# Altium PCB Bot_PCB.PcbDoc
Units mil, origin at the board's own origin, x right, y up, seen from the top; angles counter-clockwise.
Board outline 6145 x 3360 mil, 2 copper layers (Top Layer, Bottom Layer); 67 components, 62 nets, 282 pads, 14 vias.
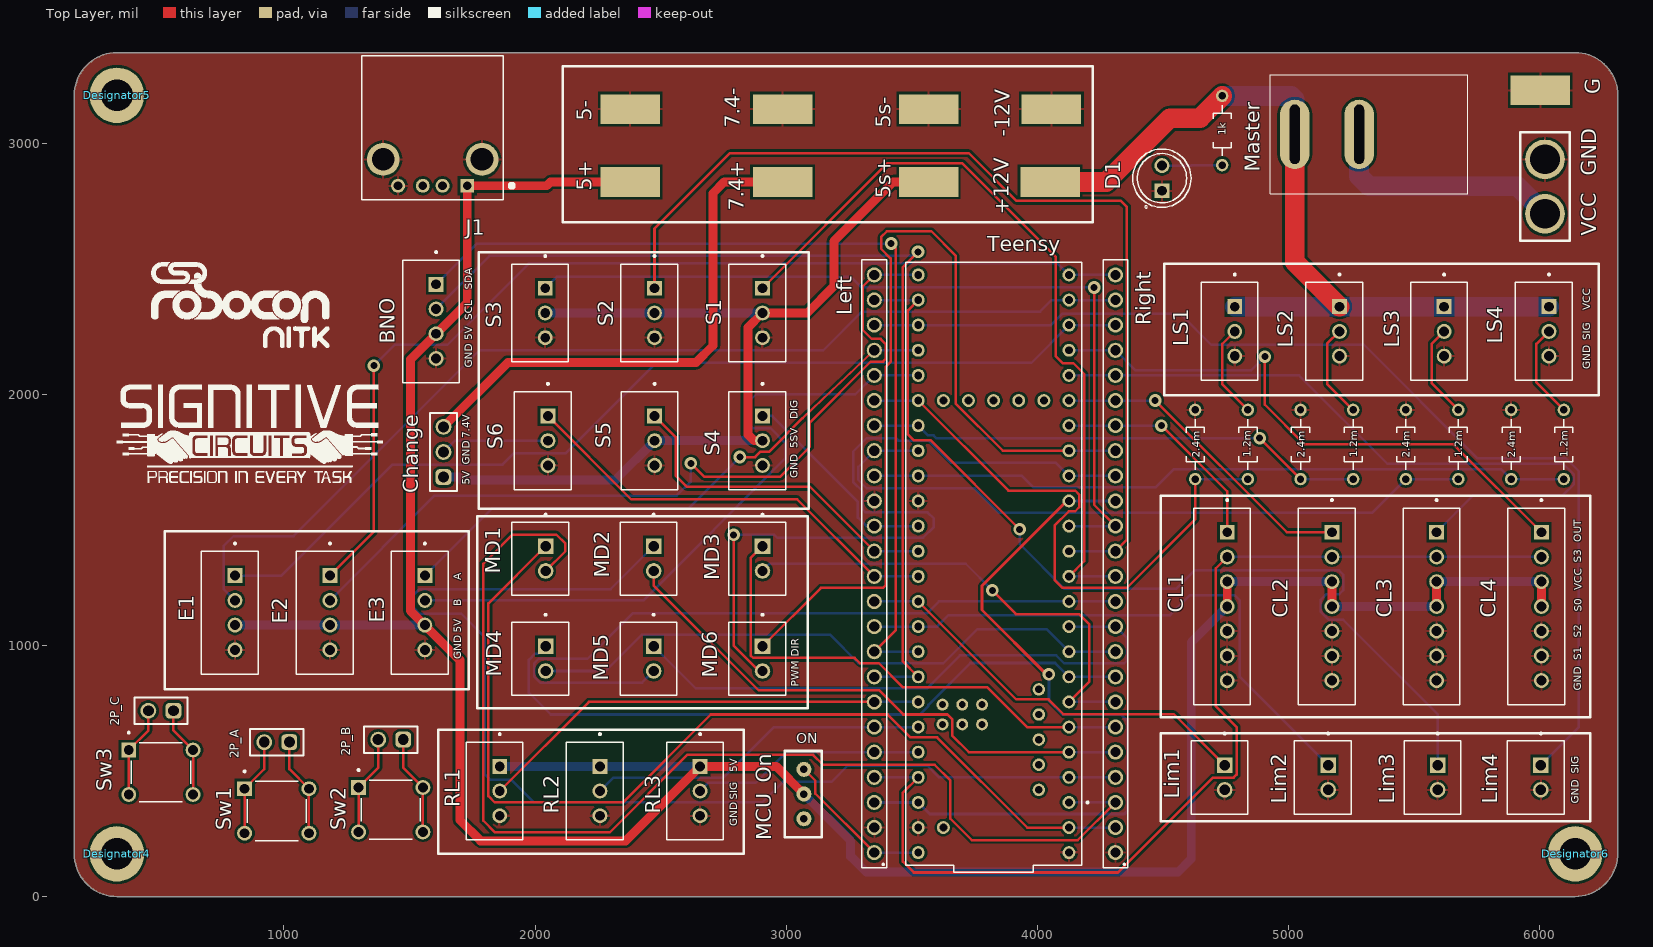
[diagram p0: Top Layer view]
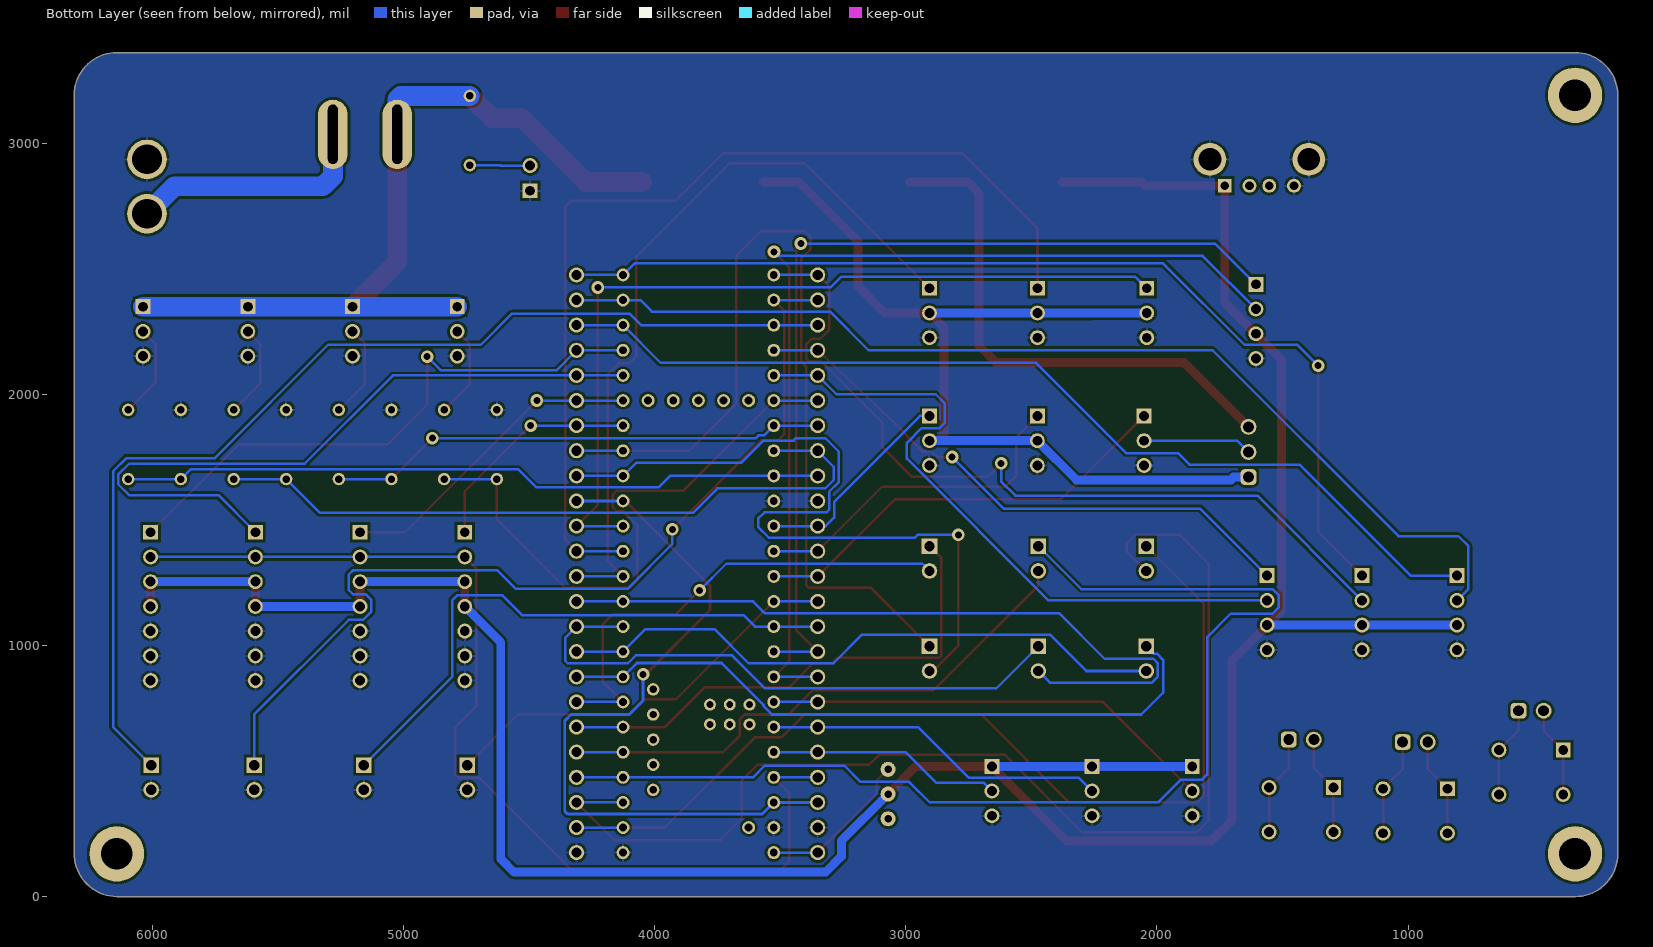
[diagram p1: Bottom Layer view, seen from below]
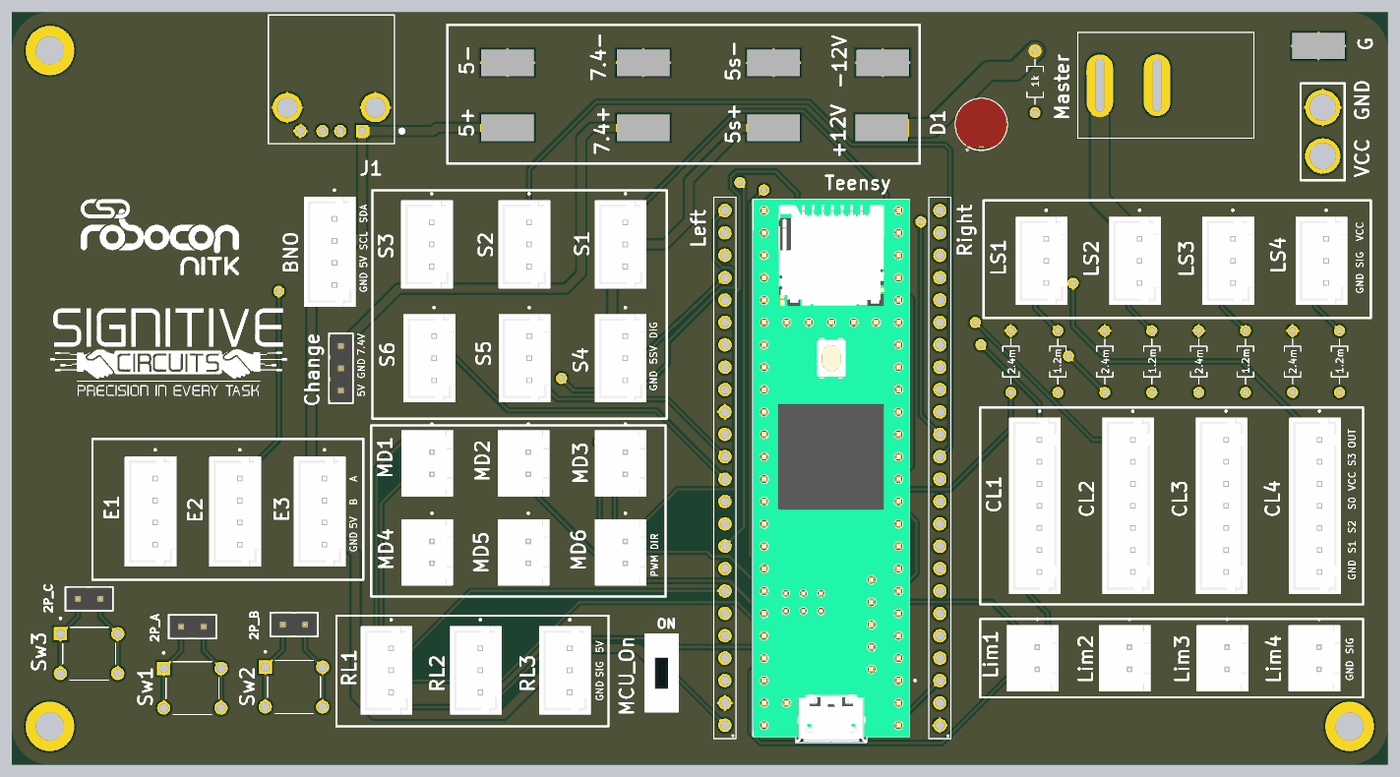
[diagram p2: 3D render of the assembled board from above, using the file's embedded part models]

## Layer stack, top to bottom
Top Solder: solder mask 0.4, Solder Resist, Dk 3.5
Top Layer: signal copper 1.4
Dielectric 1: dielectric 12.6, FR-4, Dk 4.8
Bottom Layer: signal copper 1.4
Bottom Solder: solder mask 0.4, Solder Resist, Dk 3.5

## Board outline
165,170 ccw(c335,170) 335,0 6140,0 ccw(c6137.5,172.5) 6310,175 6310,3190 ccw(c6140,3190) 6140,3360 335,3360 ccw(c335,3190) 165,3190

## Design rules (kind name [scope] priority, off if disabled: settings)
Clearance [All] p1: gap=10 ignorepadtopadclearanceinfootprint=FALSE
PolygonConnect [All] p1: connectstyle=Relief reliefconductorwidth=10 reliefentries=4 polygonreliefangle="90 Angle" airgapwidth=10
RoutingVias [All] p1: holewidth=28 width=50 viastyle="Through Hole" minholewidth=28 minwidth=50 maxholewidth=28 maxwidth=50
SolderMaskExpansion [All] p1: expansion=4 istentingtop=FALSE
Width 3V3_Width [InNet('3.3V')] p1: maxlimit=11.81 minlimit=7.87 preferedwidth=11.81 minimp=50.000000 maximp=50.000000 favimp=50.000000
Width 7V4_Width [InNet('+7.4')] p2: maxlimit=35.43 minlimit=31.5 preferedwidth=35.43 minimp=50.000000 maximp=50.000000 favimp=50.000000
Width 5SV_Width [InNet('+5s')] p3: maxlimit=35.43 minlimit=31.5 preferedwidth=35.43 minimp=50.000000 maximp=50.000000 favimp=50.000000
Width 5V_Width [InNet('+5')] p4: maxlimit=35.43 minlimit=31.5 preferedwidth=35.43 minimp=50.000000 maximp=50.000000 favimp=50.000000
Width 12V_Width [InNet('+12')] p5: maxlimit=78.74 minlimit=74.8 preferedwidth=78.74 minimp=50.000000 maximp=50.000000 favimp=50.000000
Width Batt_Width [InNet('NetBattery_VCC_0')] p6: maxlimit=78.74 minlimit=74.8 preferedwidth=78.74 toplayer_minwidth=74.8 bottomlayer_maxwidth=78.74 bottomlayer_prefwidth=78.74 minimp=50.000000 maximp=50.000000 favimp=50.000000
Width [All] p7: maxlimit=10 minlimit=10 preferedwidth=10
30 further rules are at their usual default settings.

## Classes and differential pairs
component class pcb_v1: 1.2m 1k 2.4m 2P_A 2P_B 2P_C 5+ 5- 5s+ 5s- 7.4+ 7.4- -12V BNO Change CL1 CL2 CL3 CL4 D1 E1 E2 E3 G J1 Left Lim1 Lim2 Lim3 Lim4 LS1 LS2 LS3 LS4 Master MCU_On MD1 MD2 MD3 MD4 MD5 MD6 Right RL1 RL2 RL3 S1 S2 S3 S4 S5 S6 Sw1 Sw2 Sw3 Teensy VCC

## Components (designator, comment, footprint, x,y, rotation, side; value= is the part's Value field where it differs from the comment)
1.2m "6-1623927-3" RESAD700W45L350D185 6095,1800 r270 top (schematic designator R41)
1.2m "6-1623927-3" RESAD700W45L350D185 5675,1800 r270 top (schematic designator R31)
1.2m "6-1623927-3" RESAD700W45L350D185 5256.46,1800 r270 top (schematic designator R21)
1.2m "6-1623927-3" RESAD700W45L350D185 4837.19,1800 r270 top (schematic designator R11)
1k "6-1623927-3" RESAD700W45L350D185 4735,3050 r90 top (schematic designator Rd)
2.4m "6-1623927-3" RESAD700W45L350D185 5885.37,1800 r270 top (schematic designator R42)
2.4m "6-1623927-3" RESAD700W45L350D185 5466.1,1800 r270 top (schematic designator R32)
2.4m "6-1623927-3" RESAD700W45L350D185 5046.83,1800 r270 top (schematic designator R22)
2.4m "6-1623927-3" RESAD700W45L350D185 4627.56,1800 r270 top (schematic designator R12)
2P_A "61300211121" 61300211121 971.29,615 r180 top
2P_B "61300211121" 61300211121 1424.99,625 r180 top
2P_C "61300211121" 61300211121 510,740 r180 top
5+ "COPPER_PAD_6x3" COPPER_PAD-Footprint-1#1 2378.33,2845 r0 top
5- "COPPER_PAD_6x3" COPPER_PAD-Footprint-1#2 2378.33,3135.04 r90 top
5s+ "COPPER_PAD_6x3" COPPER_PAD-Footprint-1#1 3566.67,2845 r0 top
5s- "COPPER_PAD_6x3" COPPER_PAD-Footprint-1#1 3566.67,3135.04 r0 top
7.4+ "COPPER_PAD_6x3" COPPER_PAD-Footprint-1#2 2985,2845 r90 top
7.4- "COPPER_PAD_6x3" COPPER_PAD-Footprint-1#2 2985,3135.04 r90 top
+12V "COPPER_PAD_6x3" COPPER_PAD-Footprint-1#2 4050,2845 r90 top
-12V "COPPER_PAD_6x3" COPPER_PAD-Footprint-1#2 4055,3135.04 r90 top
BNO "B4B-XH-A(LF)(SN)" JST_B4B-XH-A(LF)(SN) 1585,2290 r90 top
Change "61300311121" 61300311121 1635,1770 r90 top
CL1 "B7B-XH-A(LF)(SN)" JST_B7B-XH-A(LF)(SN) 4734.33,1155.28 r90 top
CL2 "B7B-XH-A(LF)(SN)" JST_B7B-XH-A(LF)(SN) 5151.22,1155.28 r90 top
CL3 "B7B-XH-A(LF)(SN)" JST_B7B-XH-A(LF)(SN) 5568.11,1155.28 r90 top
CL4 "B7B-XH-A(LF)(SN)" JST_B7B-XH-A(LF)(SN) 5985,1155.28 r90 top
D1 "WP7113LGD" LED_WP7113LGD 4495,2860 r90 top
Designator4 "Comment" MTH3P2MM-Footprint-1 335,170 r0 top
Designator5 "Comment" MTH3P2MM-Footprint-1 335,3190 r0 top
Designator6 "Comment" MTH3P2MM-Footprint-1 6140,170 r0 top
E1 "B4B-XH-A(LF)(SN)" JST_B4B-XH-A(LF)(SN) 784.33,1130 r90 top
E2 "B4B-XH-A(LF)(SN)" JST_B4B-XH-A(LF)(SN) 1162.17,1130 r90 top
E3 "B4B-XH-A(LF)(SN)" JST_B4B-XH-A(LF)(SN) 1540,1130 r90 top
G "COPPER_PAD_6x3" COPPER_PAD-Footprint-1#2 6001.32,3210 r90 top (schematic designator HIGH_CMN)
J1 "USB-A-Female" CUI_UJ2-AH-4-TH 1729.65,2829.88 r180 top
Left "61302411821" 61302411821 3350,1325 r90 top
Lim1 "B2B-XH-A(LF)(SN)" JST_B2B-XH-A(LF)(SN) 4724.33,474.32 r90 top
Lim2 "B2B-XH-A(LF)(SN)" JST_B2B-XH-A(LF)(SN) 5136,474.32 r90 top
Lim3 "B2B-XH-A(LF)(SN)" JST_B2B-XH-A(LF)(SN) 5572.01,474.32 r90 top
Lim4 "B2B-XH-A(LF)(SN)" JST_B2B-XH-A(LF)(SN) 5983.01,474.32 r90 top
LS1 "B3B-XH-A(LF)(SN)" JST_B3B-XH-A(LF)(SN) 4764.33,2250 r90 top
LS2 "B3B-XH-A(LF)(SN)" JST_B3B-XH-A(LF)(SN) 5181.22,2250 r90 top
LS3 "B3B-XH-A(LF)(SN)" JST_B3B-XH-A(LF)(SN) 5598.11,2250 r90 top
LS4 "B3B-XH-A(LF)(SN)" JST_B3B-XH-A(LF)(SN) 6015,2250 r90 top
Master "DPSTMED" SPSTMED-Footprint-1 4925.67,3271.06 r270 top
MCU_On "4mm-SPDT" 4mm-SPDT-Footprint-1 3140,237.17 r90 top (schematic designator T_Power)
MD1 "B2B-XH-A(LF)(SN)" JST_B2B-XH-A(LF)(SN) 2020.67,1345.59 r90 top
MD2 "B2B-XH-A(LF)(SN)" JST_B2B-XH-A(LF)(SN) 2451,1345.59 r90 top
MD3 "B2B-XH-A(LF)(SN)" JST_B2B-XH-A(LF)(SN) 2884.33,1345.59 r90 top
MD4 "B2B-XH-A(LF)(SN)" JST_B2B-XH-A(LF)(SN) 2020.67,947.36 r90 top
MD5 "B2B-XH-A(LF)(SN)" JST_B2B-XH-A(LF)(SN) 2451,947.36 r90 top
MD6 "B2B-XH-A(LF)(SN)" JST_B2B-XH-A(LF)(SN) 2884.33,947.36 r90 top
Right "61302411821" 61302411821 4310,1325 r90 top
RL1 "B3B-XH-A(LF)(SN)" JST_B3B-XH-A(LF)(SN) 1838.19,420.31 r90 top
RL2 "B3B-XH-A(LF)(SN)" JST_B3B-XH-A(LF)(SN) 2237.1,420.31 r90 top
RL3 "B3B-XH-A(LF)(SN)" JST_B3B-XH-A(LF)(SN) 2636,420.31 r90 top
S1 "B3B-XH-A(LF)(SN)" JST_B3B-XH-A(LF)(SN) 2884.33,2323.42 r90 top
S2 "B3B-XH-A(LF)(SN)" JST_B3B-XH-A(LF)(SN) 2454.33,2323.42 r90 top
S3 "B3B-XH-A(LF)(SN)" JST_B3B-XH-A(LF)(SN) 2019.33,2323.42 r90 top
S4 "B3B-XH-A(LF)(SN)" JST_B3B-XH-A(LF)(SN) 2884.33,1815 r90 top
S5 "B3B-XH-A(LF)(SN)" JST_B3B-XH-A(LF)(SN) 2455,1815 r90 top
S6 "B3B-XH-A(LF)(SN)" JST_B3B-XH-A(LF)(SN) 2030,1815 r90 top
Sw1 "TS02-66-55-BK-160-LCR-D" SW_TS02-66-55-BK-160-LCR-D 971.29,340.93 r0 top
Sw2 "TS02-66-55-BK-160-LCR-D" SW_TS02-66-55-BK-160-LCR-D 1424.99,345.93 r0 top
Sw3 "TS02-66-55-BK-160-LCR-D" SW_TS02-66-55-BK-160-LCR-D 510,495 r0 top
Teensy "DEV-16771" MODULE_DEV-16771 3825,1325 r90 top
VCC "Hole_2.5mm_1x2" Hole_2.5mm_1x2-Footprint-1 6118.43,2610.2 r90 top (schematic designator Battery_VCC)

## Footprints (in the part's own frame and the unit in brackets; to place one, negate y for a bottom-side part, rotate by r counter-clockwise, add the part's x,y. Pads: shape width x height; smd on the part's side, far side on the other; paste and mask are expansions set on the pad)
4mm-SPDT-Footprint-1 [mil]
  round 60 hole 30: 1(171.26,70) 2(72.83,70) 3(269.68,70)
  silkscreen extent 0,0 343,146, body extent 2,-4 338,150, height 256
61300211121 [mm] "Pin Header, pitch 2.54 mm, THT, Vertical, single row, 2p"
  rrect50% 1.6x1.6 hole 1.1: 1(-1.27,0)
  round 1.6 hole 1.1: 2(1.27,0)
  silkscreen extent -2.69,-1.34 2.69,1.34, body extent -2.54,-1.27 2.54,1.27, height 8.57
61300311121 [mm] "Pin Header, pitch 2.54 mm, THT, Vertical, single row, 3p"
  rrect50% 1.6x1.6 hole 1.1: 1(-2.54,0)
  round 1.6 hole 1.1: 2(0,0) 3(2.54,0)
  silkscreen extent -3.96,-1.34 3.96,1.34, body extent -3.81,-1.27 3.81,1.27, height 8.57
61302411821 [mm]
  round 1.53 hole 1.02: 1(-29.21,0) 2(-26.67,0) 3(-24.13,0) 4(-21.59,0) 5(-19.05,0) 6(-16.51,0) 7(-13.97,0) 8(-11.43,0) 9(-8.89,0) 10(-6.35,0) 11(-3.81,0) 12(-1.27,0) 13(1.27,0) 14(3.81,0) 15(6.35,0) 16(8.89,0) 17(11.43,0) 18(13.97,0) 19(16.51,0) 20(19.05,0) 21(21.59,0) 22(24.13,0) 23(26.67,0) 24(29.21,0)
  silkscreen extent -30.73,-1.25 30.73,1.25
COPPER_PAD-Footprint-1#1 [mm]
  rect 6x3 smd: 1(0,0)
COPPER_PAD-Footprint-1#2 [mm]
  rect 3x6 smd: 1(0,0)
CUI_UJ2-AH-4-TH [mm]
  rect 1.408x1.408 / inner round 1.408 / far side rect 1.408x1.408 hole 0.9: 1(0,0)
  round 1.408 hole 0.9: 2(2.5,0) 3(4.5,0) 4(7,0)
  round 3.316 hole 2.3: SH1(-1.5,-2.67) SH2(8.5,-2.67)
  silkscreen extent -4.7,-13.17 10.65,1.43, body extent -4.47,-12.96 11.33,1.14, height 7.62
Hole_2.5mm_1x2-Footprint-1 [mm]
  round 4 hole 3: 0(2.75,2.5) 1(8.25,2.5)
  silkscreen extent 0,0 11,5
JST_B2B-XH-A(LF)(SN) [mm]
  rect 1.575x1.575 / inner round 1.575 / far side rect 1.575x1.575 hole 1.05: 1(1.25,-0.525)
  round 1.575 hole 1.05: 2(-1.25,-0.525)
  silkscreen extent -3.7,-2.87 4.54,2.88, body extent -3.7,-2.88 3.7,2.88, height 7
JST_B3B-XH-A(LF)(SN) [mm]
  rect 1.508x1.508 / inner round 1.508 / far side rect 1.508x1.508 hole 1: 1(2.5,-0.525)
  round 1.508 hole 1: 2(0,-0.525) 3(-2.5,-0.525)
  silkscreen extent -4.95,-2.88 5.85,2.87, body extent -4.95,-2.88 4.95,2.88, height 7
JST_B4B-XH-A(LF)(SN) [mm]
  rect 1.508x1.508 / inner round 1.508 / far side rect 1.508x1.508 hole 1: 1(3.75,-0.525)
  round 1.508 hole 1: 2(1.25,-0.525) 3(-1.25,-0.525) 4(-3.75,-0.525)
  silkscreen extent -6.2,-2.87 7.1,2.88, body extent -6.2,-2.88 6.2,2.88, height 7
JST_B7B-XH-A(LF)(SN) [mm]
  rect 1.508x1.508 / inner round 1.508 / far side rect 1.508x1.508 hole 1: 1(7.5,-0.525)
  round 1.508 hole 1: 2(5,-0.525) 3(2.5,-0.525) 4(0,-0.525) 5(-2.5,-0.525) 6(-5,-0.525) 7(-7.5,-0.525)
  silkscreen extent -9.95,-2.88 10.85,2.87, body extent -9.95,-2.88 9.95,2.88, height 7
LED_WP7113LGD [mm]
  round 1.508 hole 1: A(1.27,0)
  rect 1.508x1.508 / inner round 1.508 / far side rect 1.508x1.508 hole 1: C(-1.27,0)
  silkscreen extent -3.03,-2.95 2.95,2.95, body extent -2.5,-2.95 2.95,2.95, height 9.6
MODULE_DEV-16771 [mm]
  round 1.308 hole 0.8: 0(-26.67,-7.62) 1(-24.13,-7.62) 2(-21.59,-7.62) 3(-19.05,-7.62) 3.3V_1(6.35,-7.62) 3.3V_2(-24.13,7.62) 3.3V_3(16.51,-2.54) 4(-16.51,-7.62) 5(-13.97,-7.62) 6(-11.43,-7.62) 7(-8.89,-7.62) 8(-6.35,-7.62) 9(-3.81,-7.62) 10(-1.27,-7.62) 11(1.27,-7.62) 12(3.81,-7.62) 13(3.81,7.62) 14(1.27,7.62) 15(-1.27,7.62) 16(-3.81,7.62) 17(-6.35,7.62) 18(-8.89,7.62) 19(-11.43,7.62) 20(-13.97,7.62) 21(-16.51,7.62) 22(-19.05,7.62) 23(-21.59,7.62) 24(8.89,-7.62) 25(11.43,-7.62) 26(13.97,-7.62) 27(16.51,-7.62) 28(19.05,-7.62) 29(21.59,-7.62) 30(24.13,-7.62) 31(26.67,-7.62) 32(29.21,-7.62) 33(29.21,7.62) 34(26.67,7.62) 35(24.13,7.62) 36(21.59,7.62) 37(19.05,7.62) 38(16.51,7.62) 39(13.97,7.62) 40(11.43,7.62) 41(8.89,7.62) GND1(-29.21,-7.62) GND2(6.35,7.62) GND3(-26.67,7.62) GND4(16.51,0) ON/OFF(16.51,5.08) PROGRAM(16.51,2.54) VBAT(16.51,-5.08) VIN(-29.21,7.62) VUSB(-26.67,5.08)
  round 1.258 hole 0.75: 5V(-22.86,-4.57) D+(-17.78,-4.57) D-(-20.32,-4.57) USB_GND1(-15.24,-4.57) USB_GND2(-12.7,-4.57)
  round 1.208 hole 0.7: GND5(-14.24,3.17) LED(-16.24,3.17) R+(-16.24,5.17) R-(-14.24,5.17) T+(-14.24,1.17) T-(-16.24,1.17)
  silkscreen extent -31.18,-9.6 30.48,8.89, body extent -31.18,-8.89 30.48,8.89, height 7.15
MTH3P2MM-Footprint-1 [mm]
  oval 5.5x5.6 hole 3.2: 0(0,0)
RESAD700W45L350D185 [mm]
  round 1.258 hole 0.75: 1(-3.5,0) 2(3.5,0)
  silkscreen extent -2.55,-0.93 2.55,0.93
SPSTMED-Footprint-1 [mm]
  oval 7x3 hole 1 slot 6 at 0 deg: 1(6,2.5) 2(6,9)
  silkscreen extent 0,0 12,20
SW_TS02-66-55-BK-160-LCR-D [mm]
  rect 1.508x1.508 / inner round 1.508 / far side rect 1.508x1.508 hole 1: 1(-3.25,2.25)
  round 1.508 hole 1: 2(3.25,2.25) 3(-3.25,-2.25) 4(3.25,-2.25)
  silkscreen extent -3.35,-3 3,4.1

## Part data
1.2m 1.2m 1.2m 1.2m 1k 2.4m 2.4m 2.4m 2.4m: library part CMP-340-000000-1, "CFR16 5% 10K", Package=None, Availability=Unavailable, Component Type=Standard, Design Item ID=6-1623927-3, MP=6-1623927-3, Pin Count=2, Price=None, Source=6-1623927-3.SchLib
2P_A 2P_B 2P_C: library part CMP-00005-1, "THT Vertical Pin Header WR-PHD, Pitch 2.54 mm, Single Row, 2 pins", Color=Black, Contact Resistance=20mR, Current Rating=3A, Max Operating Temperature=125°C, Min Operating Temperature=-40°C, Operating Supply Voltage=250V, Contact Gender=Male, Contact Material="Copper Alloy,Copper", Contact Mating Length=0.236inch, Contact Plating=Gold, Contact Type="Male Pin", Gender=Male, Height=8.94mm, Housing Material=PBT, Lead Free="Lead Free", Mounting Technology="Through Hole", Number of Contacts=2, Number of Positions=2, Number of Rows=1, Orientation=Vertical, Packaging=Bulk, Pitch=0.1inch, Reach SVHC Compliant=Unknown, RoHS Compliant=Yes, Series=WR-PHD, Termination="Through Hole", Voltage Rating=250V
5+ 5- 5s+ 5s- 7.4+ 7.4- +12V -12V G: library part CMP-00013-1, "Exposed 6mmx3mm copper pad for soldering wires directly onto PCBs"
BNO E1 E2 E3: library part CMP-328-000000-1, "Connector Header Through Hole 4 position 0.098 (2.50mm)", Package=None, Check_prices=https://www.snapeda.com/parts/B4B-XH-A(LF)(SN)/JST+Sales+America+Inc./view-part/?ref=eda, Component Type=Standard, Design Item ID=B4B-XH-A(LF)(SN), MF="JST Sales", MP=B4B-XH-A(LF)(SN), Pin Count=4, SnapEDA_Link=https://www.snapeda.com/parts/B4B-XH-A(LF)(SN)/JST+Sales+America+Inc./view-part/?ref=snap, Source=B4B-XH-A(LF)(SN).SchLib
Change: library part CMP-00001-1, "THT Vertical Pin Header WR-PHD, Pitch 2.54 mm, Single Row, 3 pins", Color=Black, Contact Resistance=20mR, Current Rating=3A, Max Operating Temperature=105°C, Min Operating Temperature=-40°C, Operating Supply Voltage=250V, Contact Material=Copper, Contact Mating Length=0.236inch, Contact Plating=Gold, Contact Type="Male Pin", Gender=Male, Height=8.94mm, Lead Free="Lead Free", Mounting Technology="Through Hole", Number of Contacts=3, Number of Positions=3, Number of Rows=1, Orientation=Vertical, Packaging=Bulk, Pitch=0.1inch, Reach SVHC Compliant=Unknown, RoHS Compliant=Yes, Series=WR-PHD, Termination=Solder, Voltage Rating=250V
CL1 CL2 CL3 CL4: library part CMP-334-000000-1, "Connector Header Through Hole 7 position 0.098 (2.50mm)", Package=None, Check_prices=https://www.snapeda.com/parts/B7B-XH-A%20(LF)(SN)/JST+Sales+America+Inc./view-part/?ref=eda, Component Type=Standard, Design Item ID=B7B-XH-A(LF)(SN), MF="JST Sales", MP="B7B-XH-A (LF)(SN)", Pin Count=7, SnapEDA_Link=https://www.snapeda.com/parts/B7B-XH-A%20(LF)(SN)/JST+Sales+America+Inc./view-part/?ref=snap, Source=B7B-XH-A(LF)(SN).SchLib
D1: library part CMP-352-000000-1, "Green 568nm LED Indication - Discrete 1.9V Radial", Package="Radial Kingbright", Availability="In Stock", Check_prices=https://www.snapeda.com/parts/WP7113LGD/Kingbright/view-part/?ref=eda, Component Type=Standard, Design Item ID=WP7113LGD, MF=Kingbright, MP=WP7113LGD, Pin Count=2, Price=None, Purchase-URL=https://pricing.snapeda.com/search/part/WP7113LGD/?ref=eda, SnapEDA_Link=https://www.snapeda.com/parts/WP7113LGD/Kingbright/view-part/?ref=snap, Source=WP7113LGD.SchLib
J1: library part CMP-346-000000-4, "Type A, USB 2.0, 1 A, Right Angle, Through Hole, USB Receptacle", Package=None, Check_prices=https://www.snapeda.com/parts/UJ2-AH-4-TH/CUI+Devices/view-part/?ref=eda, Component Type=Standard, CUI_purchase_URL=https://www.cuidevices.com/product/interconnect/connectors/usb-connectors/uj2-ah-4-th?utm_source=snapeda.com&utm_medium=referral&utm_campaign=snapedaBOM, Design Item ID=UJ2-AH-4-TH, Digi-Key_Part_Number=102-3994-ND, MF="CUI Devices", MP=UJ2-AH-4-TH, Pin Count=6, Purchase-URL=https://pricing.snapeda.com/search/part/UJ2-AH-4-TH/?ref=eda, SnapEDA_Link=https://www.snapeda.com/parts/UJ2-AH-4-TH/CUI+Devices/view-part/?ref=snap, Source=UJ2-AH-4-TH.SchLib
Left Right: library part CMP-326-000000-1, "Single Row / Straight / Without Shroud Female header Female 24", Package=None, Availability="In Stock", Check_prices=https://www.snapeda.com/parts/61302411821/Wurth+Elektronik/view-part/?ref=eda, Component Type=Standard, Design Item ID=61302411821, MF="WÃ¼rth Elektronik", MP=61302411821, Pin Count=24, Price=None, SnapEDA_Link=https://www.snapeda.com/parts/61302411821/Wurth+Elektronik/view-part/?ref=snap, Source=61302411821.SchLib
Lim1 Lim2 Lim3 Lim4 MD1 MD2 MD3 MD4 MD5 MD6: library part CMP-332-000000-1, "Connector Header Through Hole 2 position 0.098 (2.50mm)", Package=None, Check_prices=https://www.snapeda.com/parts/B2B-XH-A(LF)(SN)/JST+Sales+America+Inc./view-part/?ref=eda, Component Type=Standard, Design Item ID=B2B-XH-A(LF)(SN), MF="JST Sales America Inc.", MP=B2B-XH-A(LF)(SN), Pin Count=2, SnapEDA_Link=https://www.snapeda.com/parts/B2B-XH-A(LF)(SN)/JST+Sales+America+Inc./view-part/?ref=snap, Source=B2B-XH-A(LF)(SN).SchLib
LS1 LS2 LS3 LS4 RL1 RL2 RL3 S1 S2 S3 S4 S5 S6: library part CMP-330-000000-1, "Connector Header Through Hole 3 position 0.098 (2.50mm)", Package=None, Check_prices=https://www.snapeda.com/parts/B3B-XH-A(LF)(SN)/JST+Sales+America+Inc./view-part/?ref=eda, Component Type=Standard, Design Item ID=B3B-XH-A(LF)(SN), MF="JST Sales", MP=B3B-XH-A(LF)(SN), Pin Count=3, SnapEDA_Link=https://www.snapeda.com/parts/B3B-XH-A(LF)(SN)/JST+Sales+America+Inc./view-part/?ref=snap, Source=B3B-XH-A(LF)(SN).SchLib
Master: library part CMP-00012-2, "Medium Sized DPST switch"
MCU_On: library part CMP-00016-2, "4mm Single Pole Double Throw Switch"
Sw1 Sw2 Sw3: library part CMP-342-000000-1, Package=None, Availability=Unavailable, Component Type=Standard, Design Item ID=TS02-66-55-BK-160-LCR-D, MP=TS02-66-55-BK-160-LCR-D, Pin Count=4, Price=None, Source=TS02-66-55-BK-160-LCR-D.SchLib
Teensy: library part CMP-322-000000-1, "RT1062 Teensy 4.1 series ARMÂ® CortexÂ®-M7 MPU Embedded Evaluation Board", Package=None, Availability="In Stock", Check_prices=https://www.snapeda.com/parts/DEV-16771/SparkFun+Electronics/view-part/?ref=eda, Component Type=Standard, Design Item ID=DEV-16771, MF="SparkFun Electronics", MP=DEV-16771, Pin Count=65, Price=None, Purchase-URL=https://pricing.snapeda.com/search/part/DEV-16771/?ref=eda, SnapEDA_Link=https://www.snapeda.com/parts/DEV-16771/SparkFun+Electronics/view-part/?ref=snap, Source=DEV-16771.SchLib
VCC: library part CMP-00014-1, "2.5mm radius hole for wiring"

## Via types
v1: diameter 50, hole 28, Top Layer to Bottom Layer, 14 vias

## Nets (pads, with @x,y where several pads share a name; then routed paths per layer and width w, separated by ;. In a path a pad name is that pad's centre, name@x,y a point inside that pad or via, vN(x,y) a via of type N, cw(c..) or ccw(c..) an arc to the next point about the centre after c; other vN are vias at no path point)
3.3V: Left.3 Right.15 Teensy.3.3V_1 Teensy.3.3V_2 | length 2981.2
  Top Layer w11.81: v1(4045,885) 4035,885 3779,1141 3779,1238 4116,1575 Teensy.3.3V_1
  Bottom Layer w11.81: Left.3 Teensy.3.3V_2 3572,328 4345,328 4357,340 4357,700 4332,725 4100,725 4045.59,779.41 4045.59,884.41 v1(4045,885) ; Teensy.3.3V_1 Right.15
+5: 5+.1 BNO.3 CL1.3 CL1.4 CL2.3 CL2.4 CL3.3 CL3.4 CL4.3 CL4.4 E1.3 E2.3 E3.3 J1.1 MCU_On.1 RL1.1 RL2.1 RL3.1 | length 10919.3
  Top Layer w35.43: 5+.1 2061.12,2845 2046,2829.88 J1.1 1729.65,2364.76 BNO.3 1503,2138.12 1503,1138.46 E3.3 1700,941.46 1700,305 1783,222 2359.93,222 RL3.1 2959.69,518.74 MCU_On.1 ; CL1.4 CL1.3 ; CL2.4 CL2.3 ; CL3.4 CL3.3 ; CL4.4 CL4.3
  Bottom Layer w35.43: E1.3 E2.3 E3.3 ; RL1.1 RL2.1 RL3.1 ; MCU_On.1 3256,222.43 3256,160 3318,98 4560,98 4612,150 4612,1012.28 CL1.4 ; CL1.3 CL2.3 ; CL2.4 CL3.4 ; CL3.3 CL4.3
+5s: 5s+.1 Change.1 S1.2 S2.2 S3.2 S4.2 S5.2 | length 3762.5
  Top Layer w35.43: S4.2 2872,1815 2847,1840 2847,2265.42 S1.2 3082.42,2323.42 3189,2430 3189,2609 3425,2845 5s+.1
  Bottom Layer w35.43: Change.1 1694,1670 1705,1659 2319.67,1659 S5.2 S4.2 ; S3.2 2257,2323.43 ; 2257,2323.42 S2.2 S1.2
+7.4: 7.4+.1 Change.3 | length 2108.8
  Top Layer w35.43: Change.3 1891,2126 2640,2126 2708,2194 2708,2800 2753,2845 7.4+.1
+12: 1k.2 +12V.1 LS1.1 LS2.1 LS3.1 LS4.1 Master.1 | length 3271.5
  Top Layer w78.74: +12V.1 4273,2845 4527,3099 4646.2,3099 1k.2 ; Master.1 5024.09,2526.22 LS2.1
  Bottom Layer w78.74: 1k.2 5010,3187.8 5024.09,3173.7 Master.1 ; LS1.1 LS2.1 LS3.1 LS4.1
ANALOG_LS1: 1.2m.1@4837.19,1937.8 LS1.2 | length 374.4
  Top Layer w10: LS1.2 4736,2201 4736,2038.99 1.2m.1@4837.19,1937.8
ANALOG_LS1_3.3: 1.2m.2@4837.19,1662.2 2.4m.2@4627.56,1662.2 Left.19 Teensy.38 | length 2421.9
  Top Layer w10: Teensy.38 3884,1616 4150,1616 4165.75,1600.25 4165.75,1550 4150,1534.25 4125,1534.25 4068,1477.25 4068,1260 4099,1229 4355,1229 4627.56,1501.56 2.4m.2@4627.56,1662.2
  Bottom Layer w10: Left.19 Teensy.38 ; 2.4m.2@4627.56,1662.2 1.2m.2@4837.19,1662.2
ANALOG_LS2: 1.2m.1@5256.46,1937.8 LS2.2 | length 375.3
  Top Layer w10: LS2.2 5153,2201.11 5153,2041.26 1.2m.1@5256.46,1937.8
ANALOG_LS2_3.3: 1.2m.2@5256.46,1662.2 2.4m.2@5046.83,1662.2 Left.18 Teensy.39 | length 1994.6
  Top Layer w10: v1(4884.03,1825) 2.4m.2@5046.83,1662.2
  Bottom Layer w10: Left.18 Teensy.39 3564.25,1835.75 3585.75,1835.75 3596.5,1825 v1(4884.03,1825) ; 2.4m.2@5046.83,1662.2 1.2m.2@5256.46,1662.2
ANALOG_LS3: 1.2m.1@5675,1937.8 LS3.2 | length 375.9
  Top Layer w10: LS3.2 5570,2201.22 5570,2042.8 1.2m.1@5675,1937.8
ANALOG_LS3_3.3: 1.2m.2@5675,1662.2 2.4m.2@5466.1,1662.2 Left.17 Teensy.40 | length 2815.5
  Bottom Layer w10: Teensy.40 Left.17 3286,1711 3286,1659 3320,1625 3749,1625 3845,1529 5332.89,1529 5466.1,1662.2 1.2m.2@5675,1662.2
ANALOG_LS4: 1.2m.1@6095,1937.8 LS4.2 | length 377.9
  Top Layer w10: LS4.2 5986,2200.33 5986,2046.8 1.2m.1@6095,1937.8
ANALOG_LS4_3.3: 1.2m.2@6095,1662.2 2.4m.2@5885.36,1662.2 Left.16 Teensy.41 | length 2810.8
  Bottom Layer w10: Left.16 Teensy.41 3938,1675 3984,1629 4470,1629 4543,1702 5845.57,1702 5885.36,1662.2 1.2m.2@6095,1662.2
BNO_SCL: BNO.2 Left.8 Teensy.19 | length 3930.3
  Top Layer w10: v1(3524,2566.44) 3462.44,2504.88 3462.44,937.56 Teensy.19
  Bottom Layer w10: BNO.2 1817.46,2551 3508.56,2551 v1(3524,2566.44) ; Left.8 Teensy.19
BNO_SDA: BNO.1 Left.9 Teensy.18 | length 3721.3
  Top Layer w10: Left.9 3435.12,1060.12 3435.12,2581.88 v1(3417,2600)
  Bottom Layer w10: BNO.1 1768.03,2600 v1(3417,2600) ; Left.9 Teensy.18
DIGITAL_CL1: CL1.1 Right.18 Teensy.26 | length 901
  Top Layer w10: v1(4493,1875) 4755,1613 CL1.1
  Bottom Layer w10: Teensy.26 Right.18 v1(4493,1875)
DIGITAL_CL2: CL2.1 Right.19 Teensy.27 | length 1264.1
  Top Layer w10: v1(4468,1975) 4992.45,1450.55 CL2.1
  Bottom Layer w10: Teensy.27 Right.19 v1(4468,1975)
DIGITAL_CL3: CL3.1 Right.20 Teensy.28 | length 2836.8
  Bottom Layer w10: Teensy.28 Right.20 5041,2075 5392,1724 6090.76,1724 6134.76,1680 6134.76,1641.76 6091,1598 5736.23,1598 CL3.1
DIGITAL_CL4: CL4.1 Right.21 Teensy.29 | length 2338.8
  Top Layer w10: v1(4905,2150) 4905,1958 5063,1800 5656.22,1800 CL4.1
  Bottom Layer w10: Teensy.29 Right.21 4390,2095 4850,2095 v1(4905,2150)
DIGITAL_CMN: CL1.2 CL2.2 CL3.2 CL4.2 Left.4 Teensy.23 | length 4212.2
  Top Layer w10: Teensy.23 3464.25,414.25 3464.25,139.75 3508,96 4320,96 4698,474 4780,474 4792,486 4792,675 4710,757 4710,1307.13 CL1.2
  Bottom Layer w10: Left.4 Teensy.23 ; CL1.2 CL2.2 CL3.2 CL4.2
DIGITAL_RL1: Left.7 RL1.2 Teensy.20 | length 1813.1
  Top Layer w10: RL1.2 2213.54,775 Left.7
  Bottom Layer w10: Left.7 Teensy.20
DIGITAL_RL2: Left.6 RL2.2 Teensy.21 | length 1372.7
  Bottom Layer w10: RL2.2 2311.51,474.05 2749.05,474.05 2950,675 Left.6 Teensy.21
DIGITAL_RL3: Left.5 RL3.2 Teensy.22 | length 932.4
  Bottom Layer w10: RL3.2 2690.41,454.05 2879,454.05 2999.95,575 Left.5 Teensy.22
DIGITAL_S1: Right.12 S1.1 Teensy.10 | length 3082.3
  Top Layer w10: S1.1 3403.15,2920 3700,2920 4072,2548 4072,2152 4100,2124 4142,2124 4185.75,2080.25 4185.75,1335.75 Teensy.10
  Bottom Layer w10: Teensy.10 Right.12
DIGITAL_S2: Right.13 S2.1 Teensy.11 | length 3906.5
  Top Layer w10: S2.1 2475,2659 2776,2960 3726,2960 3916,2770 4332,2770 4356,2746 4356,1421 Right.13
  Bottom Layer w10: Teensy.11 Right.13
DIGITAL_S3: Right.14 S3.1 Teensy.12 | length 3391.3
  Top Layer w10: v1(4225,2425) 4225,1560 Right.14
  Bottom Layer w10: S3.1 2085.15,2467 3257,2467 3299,2425 v1(4225,2425) ; Teensy.12 Right.14
DIGITAL_S4: Left.14 S4.1 Teensy.13 | length 838.1
  Bottom Layer w10: S4.1 2942.9,1913.42 3284.88,1571.44 3284.88,1509.12 3319,1475 Left.14 Teensy.13
DIGITAL_S5: Left.13 S5.1 Teensy.14 | length 1363.5
  Top Layer w10: S5.1 2561.04,1828.05 2560,1827.01 2560,1675 2603,1632 3093,1632 Left.13
  Bottom Layer w10: Left.13 Teensy.14
DIGITAL_S6: Left.12 S6.1 Teensy.15 | length 1738.8
  Top Layer w10: S6.1 2382.09,1582 3043,1582 Left.12
  Bottom Layer w10: Left.12 Teensy.15
DIR_MD1: MD1.1 Right.2 Teensy.0 | length 3926.7
  Top Layer w10: MD1.1 1814,1167.47 1814,400 1839,375 2349,375 2699,725 3403,725 3494,634 3600,634 3959,275 Teensy.0
  Bottom Layer w10: Teensy.0 Right.2
DIR_MD2: MD2.1 Right.4 Teensy.2 | length 4602.2
  Bottom Layer w10: MD2.1 2300.87,1224 1539,1224 1515,1200 1515,1151 1540,1126 1706,1126 1800,1032 1800,486 1820,466 1904,466 1995,375 2904,375 2986,457 3180,457 3244,521 3561,521 3607,475 Teensy.2 Right.4
DIR_MD3: MD3.1 Right.6 Teensy.4 | length 2024.3
  Top Layer w10: MD3.1 2858,1347.8 2858,960 2868,950 3272,950 3293,929 3368,929 3463,834 3799,834 3958,675 Teensy.4
  Bottom Layer w10: Teensy.4 Right.6
DIR_MD4: MD4.1 Right.8 Teensy.6 | length 2700.8
  Bottom Layer w10: MD4.1 2012.13,967.36 2000,967.36 1975.34,942.7 1975.34,811.66 2062,725 3532.63,725 3565.75,758.12 3565.75,763.5 3732.24,930 4070,930 Teensy.6 Right.8
DIR_MD5: MD5.1 Right.10 Teensy.8 | length 2364.5
  Bottom Layer w10: MD5.1 2639.25,829 3560,829 3691,960 4074.5,960 4105.5,929 4345,929 4356,940 4356,1029 Right.10 Teensy.8
DIR_MD6: MD6.1 Right.17 Teensy.25 | length 3651
  Top Layer w10: MD6.1 3137.42,1229 3385,1229 3396,1240 3396,2109.88 3415.12,2129 3415.12,2540.88 3377,2579 3377,2625.76 3400,2648.76 3577.24,2648.76 3674,2552 3674,1962.66 3861.66,1775 Teensy.25
  Bottom Layer w10: Teensy.25 Right.17
GND: 2.4m.1 5-.1 5s-.1 7.4-.1 -12V.1 BNO.4 CL1.5 CL1.6 CL1.7 CL2.5 CL2.6 CL2.7 CL3.5 CL3.6 CL3.7 CL4.5 CL4.6 CL4.7 D1.C E1.4 E2.4 E3.4 G.1 J1.4 J1.SH1 J1.SH2 Left.2 Left.15 Lim1.2 Lim2.2 Lim3.2 Lim4.2 LS1.3 LS2.3 LS3.3 LS4.3 Right.1 RL1.3 RL2.3 RL3.3 S1.3 S2.3 S3.3 S4.3 S5.3 S6.3 Teensy.GND1 Teensy.GND2 Teensy.GND3 VCC.1
INTERRUPT_1A: E1.1 Right.22 Teensy.30 | length 3918.1
  Bottom Layer w10: E1.1 989.64,1277.64 1432,1720 1870,1720 1916,1766 2122,1766 2481,2125 3975,2125 Teensy.30 Right.22
INTERRUPT_1B: E1.2 Right.23 Teensy.31 | length 4190.4
  Bottom Layer w10: E1.2 760,1224.21 760,1395 800,1435 1038,1435 1778,2175 3147,2175 3301,2329 4010,2329 4056,2375 Teensy.31 Right.23
INTERRUPT_2A: E2.1 Right.24 Teensy.32 | length 4048.6
  Top Layer w10: E2.1 1358,1452.8 v1(1358,2114)
  Bottom Layer w10: v1(1358,2114) 1440,2196 1650,2196 1975,2521 4079,2521 Teensy.32 Right.24
INTERRUPT_2B: E2.2 Left.24 Teensy.33 | length 3341.2
  Top Layer w10: v1(2620,1725) 2674,1671 2974,1671 3094,1791 3094,1887.88 3336,2129.88 3385,2129.88 3395.12,2140 3395.12,2200 3375,2220.12 3340,2220.12 3304,2256.12 3304,2429 Left.24
  Bottom Layer w10: E2.2 1599.62,1596 2563,1596 2620,1653 v1(2620,1725) ; Left.24 Teensy.33
INTERRUPT_3A: E3.1 Left.21 Teensy.36 | length 2331.8
  Top Layer w10: v1(2815,1750) 2875.23,1750 2895.55,1770.31 2930.3,1770.31 3064.99,1905.01 Left.21
  Bottom Layer w10: E3.1 1828.03,1545 2610,1545 v1(2815,1750) ; Left.21 Teensy.36
INTERRUPT_3B: E3.2 Left.20 Teensy.37 | length 2718.9
  Bottom Layer w10: E3.2 2430.83,1179.21 2995,1743.38 2995,1806 2936,1865 2865,1865 2845,1885 2845,1965 2880,2000 3275,2000 Left.20 Teensy.37
INTERRUPT_Lim1: Left.11 Lim1.1 Teensy.16 | length 1664.8
  Top Layer w10: Teensy.16 3915,785 4044,785 4103,726 4542.54,726 Lim1.1
  Bottom Layer w10: Left.11 Teensy.16
INTERRUPT_Lim2: Left.10 Lim2.1 Teensy.17 | length 2316.6
  Bottom Layer w10: Left.10 Teensy.17 3600,1075 3646,1121 4528,1121 4607,1200 4784,1200 4804,1180 4804,876.21 Lim2.1
INTERRUPT_Lim3: Left.23 Lim3.1 Teensy.34 | length 3838.3
  Top Layer w10: Teensy.34 3484,2334 3484,1840 3508,1816 3575,1816 v1(3929,1462)
  Bottom Layer w10: Left.23 Teensy.34 ; v1(3929,1462) 3929,1403 4107,1225 4551,1225 4625,1299 5200,1299 5217,1282 5217,1220 5201,1204 5151,1204 5127,1180 5127,1135 5160,1102 5217,1102 5592.68,726.32 Lim3.1
INTERRUPT_Lim4: Left.22 Lim4.1 Teensy.35 | length 4316.1
  Bottom Layer w10: Left.22 Teensy.35 4053,2275 4099,2321 4567,2321 4691,2197 5299,2197 5750,1746 6102,1746 6154.76,1693.24 6154.76,674.62 Lim4.1
Net2P_A_1: 2P_A.1 Sw1.2 Sw1.4 | length 394.9
  Top Layer w10: 2P_A.1 1021.29,507.46 Sw1.2 Sw1.4
Net2P_A_2: 2P_A.2 Sw1.1 Sw1.3 | length 394.9
  Top Layer w10: Sw1.3 Sw1.1 921.29,507.46 2P_A.2
Net2P_B_1: 2P_B.1 Sw2.2 Sw2.4 | length 399.9
  Top Layer w10: 2P_B.1 1474.99,512.46 Sw2.2 Sw2.4
Net2P_B_2: 2P_B.2 Sw2.1 Sw2.3 | length 399.9
  Top Layer w10: Sw2.3 Sw2.1 1374.99,512.46 2P_B.2
Net2P_C_1: 2P_C.1 Sw3.2 Sw3.4 | length 365.9
  Top Layer w10: 2P_C.1 560,661.53 Sw3.2 Sw3.4
Net2P_C_2: 2P_C.2 Sw3.1 Sw3.3 | length 365.9
  Top Layer w10: Sw3.3 Sw3.1 460,661.53 2P_C.2
NetBattery_VCC_0: Master.2 VCC.0 | length 968.8
  Bottom Layer w78.74: Master.2 5280,2868 5320,2828 5910.46,2828 VCC.0
NetD1_A: 1k.1 D1.A | length 240.9
  Bottom Layer w10: D1.A 4613,2910 4615.2,2912.2 1k.1
NetT_Power_3: Left.1 MCU_On.3 Teensy.VIN | length 622.8
  Top Layer w10: MCU_On.3 3115,461.85 3115,410 Left.1
  Bottom Layer w10: Left.1 Teensy.VIN
PWM_MD1: MD1.2 Right.3 Teensy.1 | length 4692.4
  Top Layer w10: MD1.2 2120,1375.04 2120,1405 2084,1441 1910,1441 1794,1325 1794,302 1840,256 2297,256 2605,564 3106,564 3145,525 3590,525 3653,462 3653,310 3738,225 4160,225 Right.3
  Bottom Layer w10: Teensy.1 Right.3
PWM_MD2: MD2.2 Right.5 Teensy.3 | length 2208.6
  Top Layer w10: MD2.2 2471.67,1239.33 2890,821 3370,821 3466,725 3641,725 3661,705 3661,640 3726,575 Teensy.3
  Bottom Layer w10: Teensy.3 Right.5
PWM_MD3: MD3.2 Right.7 Teensy.5 | length 1939.4
  Top Layer w10: v1(3820,1219) 3914,1125 4165,1125 4205,1085 4205,855 Teensy.5
  Bottom Layer w10: MD3.2 2933.62,1325 3714,1325 v1(3820,1219) ; Teensy.5 Right.7
PWM_MD4: MD4.2 Right.9 Teensy.7 | length 2469.5
  Bottom Layer w10: MD4.2 2280.15,898.15 2425,1043 3173,1043 3287,929 3625,929 3761,1065 4035,1065 Teensy.7 Right.9
PWM_MD5: MD5.2 Right.11 Teensy.9 | length 2974.2
  Bottom Layer w10: MD5.2 2425.52,852 2020,852 1995.34,876.66 1995.34,928.34 2014,947 2208,947 2390,1129 3561,1129 3607,1175 Teensy.9 Right.11
PWM_MD6: MD6.2 Right.16 Teensy.24 | length 3123.4
  Top Layer w10: v1(2790,1440) 2790,999.72 2891.57,898.15 MD6.2
  Bottom Layer w10: v1(2790,1440) 2791,1441 2951,1441 2963,1429 3545,1429 3587,1471 3587,1505 3562.12,1529.88 3315,1529.88 3304.88,1540 3304.88,1611.83 3266,1650.71 3266,1771 3320,1825 3437,1825 3446.25,1815.75 3566,1815.75 3653.75,1728 4072,1728 Teensy.24 Right.16
VCC: Change.2 S6.2 | length 434.3
  Bottom Layer w10: Change.2 1680,1815 S6.2
pads on no net: Designator4.0 Designator5.0 Designator6.0 J1.2 J1.3 MCU_On.2 Teensy.3.3V_3 Teensy.5V Teensy.D+ Teensy.D- Teensy.GND4 Teensy.GND5 Teensy.LED Teensy.ON/OFF Teensy.PROGRAM Teensy.R+ Teensy.R- Teensy.T+ Teensy.T- Teensy.USB_GND1 Teensy.USB_GND2 Teensy.VBAT Teensy.VUSB

## Polygon pours and split planes (outlines as drawn)
GND on Bottom Layer "GND_L02_P000" (solid, remove dead copper, pour order 0): 335,0 6140,0 ccw(c6140,170) 6310,170 6310,3190 ccw(c6140,3190) 6140,3360 335,3360 ccw(c335,3190) 165,3190 165,170 ccw(c335,170)
GND on Top Layer "GND_L01_P001" (solid, remove dead copper, pour order 1): 165,3145 165,170 ccw(c335,170) 335,0 6140,0 ccw(c6140,170) 6310,170 6310,3190 ccw(c6140,3190) 6140,3360 6138.3,3361.7 336.69,3361.7 ccw(c336.69,3189.8) 164.79,3188.99

## Silkscreen, mask and mechanical layers (free items; w line width, h text height)
Top Overlay:
  drawing of 77 lines, arcs and shapes, not listed
  text "GND" at 6225,2870 h60 r90
  text "SDA" at 1750,2415 h30 r90
  text "VCC" at 6200,2335 h30 r90
  text "SCL" at 1750,2295 h30 r90
  text "5V" at 1750,2215 h30 r90
  text "SIG" at 6200,2215 h30 r90
  text "GND" at 1750,2105 h30 r90
  text "GND" at 6200,2100 h30 r90
  text "DIG" at 3045,1900 h30 r90
  text "7.4V" at 1740,1825 h30 r90
  text "5SV" at 3045,1785 h30 r90
  text "GND" at 1740,1720 h30 r90
  text "GND" at 3045,1665 h30 r90
  text "5V" at 1740,1640 h30 r90
  text "OUT" at 6165,1410 h30 r90
  text "S3" at 6165,1330 h30 r90
  text "A" at 1705,1260 h30 r90
  text "VCC" at 6165.45,1220 h30 r90
  text "B" at 1705,1155 h30 r90
  text "S0" at 6165.45,1135 h30 r90
  text "5V" at 1705,1050 h30 r90
  text "S2" at 6165,1030 h30 r90
  text "DIR" at 3050,955 h30 r90
  text "GND" at 1705,945 h30 r90
  text "S1" at 6165,940 h30 r90
  text "PWM" at 3050,835 h30 r90
  text "GND" at 6165,820 h30 r90
  text "ON" at 3040,610 h40
  text "5V" at 2805,495 h30 r90
  text "SIG" at 6155,490 h30 r90
  text "SIG" at 2805,385 h30 r90
  text "GND" at 6155,370 h30 r90
  text "GND" at 2805,280 h30 r90
Mechanical 1:
  the board outline again, w10

## Text inside footprints (layer, text, board x,y; h text height)
Teensy: Top 3D Body "Teensy 4.1" at 3811.61,1315.16 h50 r90